# KiCad board panelized.kicad_pcb (continued)
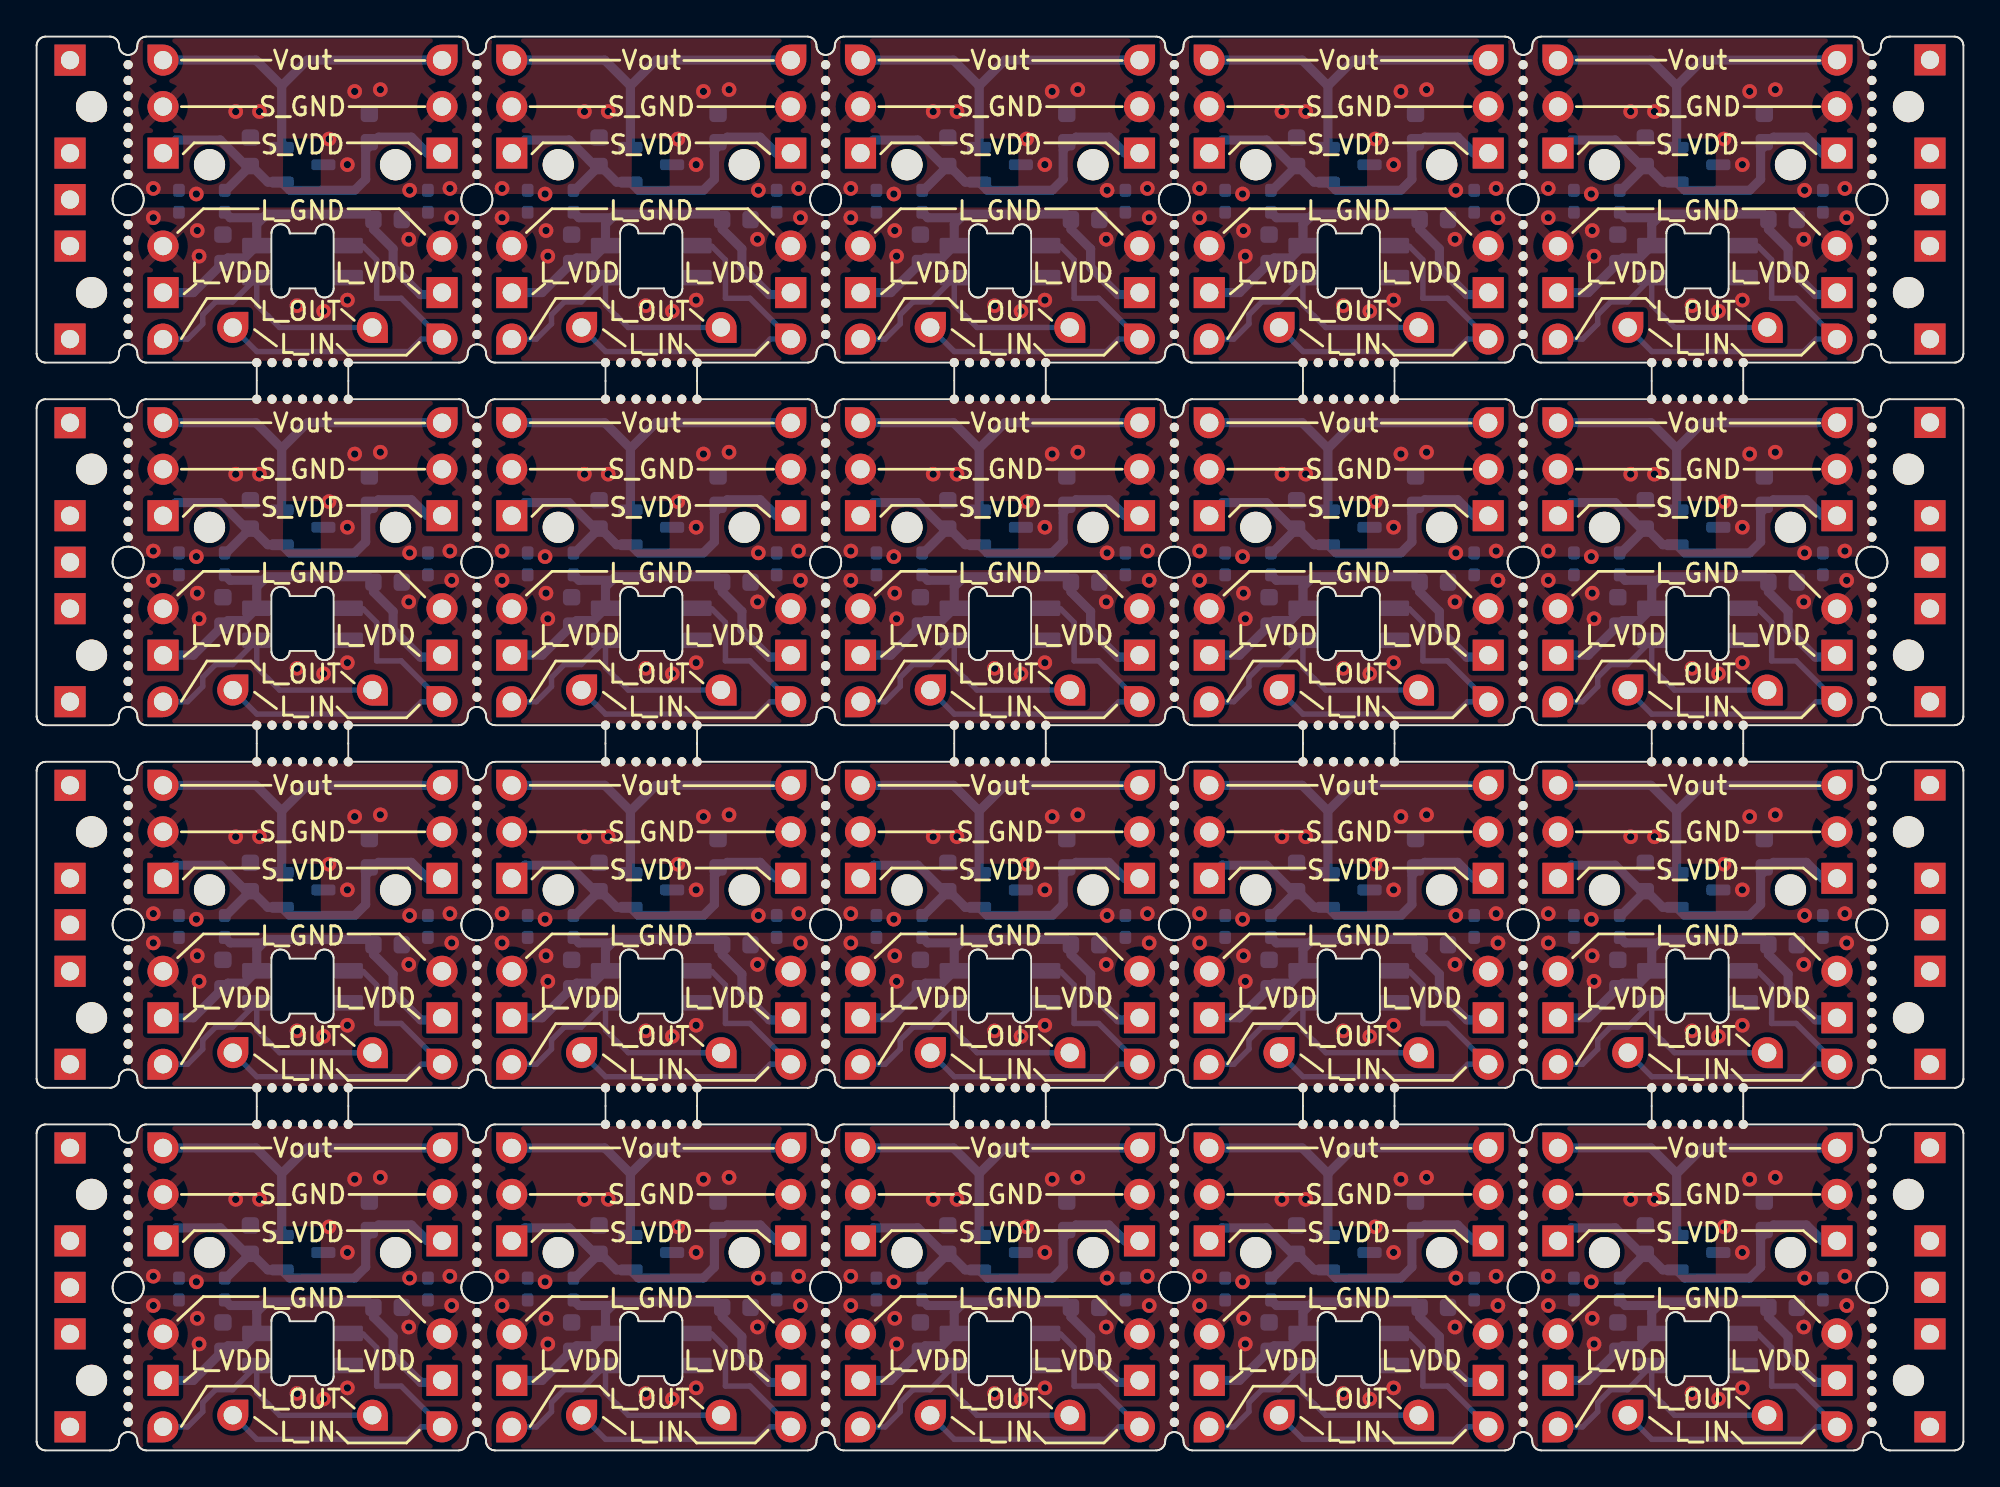
[diagram p0: board, top side]
## Placement (name value [footprint] x y rotation side) (continued)
J8#19  Conn_01x01_Pin  [PinHeader_1x01_P2.54mm_Vertical#3]  25.95 45.98 180 bottom
J8#20  Conn_01x01_Pin  [PinHeader_1x01_P2.54mm_Vertical#3]  64.06 45.98 180 bottom
J9  Conn_01x01_Pin  [PinHeader_1x01_P2.54mm_Vertical]  22.14 36.33 90 bottom
J9#2  Conn_01x01_Pin  [PinHeader_1x01_P2.54mm_Vertical]  41.19 36.33 90 bottom
J9#3  Conn_01x01_Pin  [PinHeader_1x01_P2.54mm_Vertical]  60.25 16.52 90 bottom
J9#4  Conn_01x01_Pin  [PinHeader_1x01_P2.54mm_Vertical]  41.19 16.52 90 bottom
J9#5  Conn_01x01_Pin  [PinHeader_1x01_P2.54mm_Vertical]  98.34 36.33 90 bottom
J9#6  Conn_01x01_Pin  [PinHeader_1x01_P2.54mm_Vertical]  98.34 56.14 90 bottom
J9#7  Conn_01x01_Pin  [PinHeader_1x01_P2.54mm_Vertical]  22.14 16.52 90 bottom
J9#8  Conn_01x01_Pin  [PinHeader_1x01_P2.54mm_Vertical]  98.34 16.52 90 bottom
J9#9  Conn_01x01_Pin  [PinHeader_1x01_P2.54mm_Vertical]  79.29 56.14 90 bottom
J9#10  Conn_01x01_Pin  [PinHeader_1x01_P2.54mm_Vertical]  60.25 56.14 90 bottom
J9#11  Conn_01x01_Pin  [PinHeader_1x01_P2.54mm_Vertical]  60.25 75.95 90 bottom
J9#12  Conn_01x01_Pin  [PinHeader_1x01_P2.54mm_Vertical]  79.29 75.95 90 bottom
J9#13  Conn_01x01_Pin  [PinHeader_1x01_P2.54mm_Vertical]  22.14 75.95 90 bottom
J9#14  Conn_01x01_Pin  [PinHeader_1x01_P2.54mm_Vertical]  98.34 75.95 90 bottom
J9#15  Conn_01x01_Pin  [PinHeader_1x01_P2.54mm_Vertical]  41.19 75.95 90 bottom
J9#16  Conn_01x01_Pin  [PinHeader_1x01_P2.54mm_Vertical]  79.29 16.52 90 bottom
J9#17  Conn_01x01_Pin  [PinHeader_1x01_P2.54mm_Vertical]  22.14 56.14 90 bottom
J9#18  Conn_01x01_Pin  [PinHeader_1x01_P2.54mm_Vertical]  79.29 36.33 90 bottom
J9#19  Conn_01x01_Pin  [PinHeader_1x01_P2.54mm_Vertical]  60.25 36.33 90 bottom
J9#20  Conn_01x01_Pin  [PinHeader_1x01_P2.54mm_Vertical]  41.19 56.14 90 bottom
J10  Conn_01x01_Pin  [PinHeader_1x01_P2.54mm_Vertical]  45 75.95 180 bottom
J10#2  Conn_01x01_Pin  [PinHeader_1x01_P2.54mm_Vertical]  25.95 75.95 180 bottom
J10#3  Conn_01x01_Pin  [PinHeader_1x01_P2.54mm_Vertical]  83.1 56.14 180 bottom
J10#4  Conn_01x01_Pin  [PinHeader_1x01_P2.54mm_Vertical]  64.06 75.95 180 bottom
J10#5  Conn_01x01_Pin  [PinHeader_1x01_P2.54mm_Vertical]  45 16.52 180 bottom
J10#6  Conn_01x01_Pin  [PinHeader_1x01_P2.54mm_Vertical]  83.1 75.95 180 bottom
J10#7  Conn_01x01_Pin  [PinHeader_1x01_P2.54mm_Vertical]  64.06 56.14 180 bottom
J10#8  Conn_01x01_Pin  [PinHeader_1x01_P2.54mm_Vertical]  83.1 36.33 180 bottom
J10#9  Conn_01x01_Pin  [PinHeader_1x01_P2.54mm_Vertical]  25.95 16.52 180 bottom
J10#10  Conn_01x01_Pin  [PinHeader_1x01_P2.54mm_Vertical]  64.06 16.52 180 bottom
J10#11  Conn_01x01_Pin  [PinHeader_1x01_P2.54mm_Vertical]  45 56.14 180 bottom
J10#12  Conn_01x01_Pin  [PinHeader_1x01_P2.54mm_Vertical]  6.91 16.52 180 bottom
J10#13  Conn_01x01_Pin  [PinHeader_1x01_P2.54mm_Vertical]  6.91 56.14 180 bottom
J10#14  Conn_01x01_Pin  [PinHeader_1x01_P2.54mm_Vertical]  45 36.33 180 bottom
J10#15  Conn_01x01_Pin  [PinHeader_1x01_P2.54mm_Vertical]  25.95 56.14 180 bottom
J10#16  Conn_01x01_Pin  [PinHeader_1x01_P2.54mm_Vertical]  64.06 36.33 180 bottom
J10#17  Conn_01x01_Pin  [PinHeader_1x01_P2.54mm_Vertical]  6.91 75.95 180 bottom
J10#18  Conn_01x01_Pin  [PinHeader_1x01_P2.54mm_Vertical]  6.91 36.33 180 bottom
J10#19  Conn_01x01_Pin  [PinHeader_1x01_P2.54mm_Vertical]  25.95 36.33 180 bottom
J10#20  Conn_01x01_Pin  [PinHeader_1x01_P2.54mm_Vertical]  83.1 16.52 180 bottom
J11  Conn_01x01_Pin  [PinHeader_1x01_P2.54mm_Vertical]  37.38 41.54 0 bottom
J11#2  Conn_01x01_Pin  [PinHeader_1x01_P2.54mm_Vertical]  56.44 1.92 0 bottom
J11#3  Conn_01x01_Pin  [PinHeader_1x01_P2.54mm_Vertical]  94.53 61.35 0 bottom
J11#4  Conn_01x01_Pin  [PinHeader_1x01_P2.54mm_Vertical]  94.53 21.73 0 bottom
J11#5  Conn_01x01_Pin  [PinHeader_1x01_P2.54mm_Vertical]  75.49 61.35 0 bottom
J11#6  Conn_01x01_Pin  [PinHeader_1x01_P2.54mm_Vertical]  56.44 61.35 0 bottom
J11#7  Conn_01x01_Pin  [PinHeader_1x01_P2.54mm_Vertical]  37.38 1.92 0 bottom
J11#8  Conn_01x01_Pin  [PinHeader_1x01_P2.54mm_Vertical]  94.53 41.54 0 bottom
J11#9  Conn_01x01_Pin  [PinHeader_1x01_P2.54mm_Vertical]  37.38 21.73 0 bottom
J11#10  Conn_01x01_Pin  [PinHeader_1x01_P2.54mm_Vertical]  18.33 61.35 0 bottom
J11#11  Conn_01x01_Pin  [PinHeader_1x01_P2.54mm_Vertical]  56.44 21.73 0 bottom
J11#12  Conn_01x01_Pin  [PinHeader_1x01_P2.54mm_Vertical]  75.49 21.73 0 bottom
J11#13  Conn_01x01_Pin  [PinHeader_1x01_P2.54mm_Vertical]  18.33 41.54 0 bottom
J11#14  Conn_01x01_Pin  [PinHeader_1x01_P2.54mm_Vertical]  75.49 41.54 0 bottom
J11#15  Conn_01x01_Pin  [PinHeader_1x01_P2.54mm_Vertical]  18.33 21.73 0 bottom
J11#16  Conn_01x01_Pin  [PinHeader_1x01_P2.54mm_Vertical]  56.44 41.54 0 bottom
J11#17  Conn_01x01_Pin  [PinHeader_1x01_P2.54mm_Vertical]  75.49 1.92 0 bottom
J11#18  Conn_01x01_Pin  [PinHeader_1x01_P2.54mm_Vertical]  18.33 1.92 0 bottom
J11#19  Conn_01x01_Pin  [PinHeader_1x01_P2.54mm_Vertical]  37.38 61.35 0 bottom
J11#20  Conn_01x01_Pin  [PinHeader_1x01_P2.54mm_Vertical]  94.53 1.92 0 bottom
J12  Conn_01x01_Pin  [PinHeader_1x01_P2.54mm_Vertical]  25.95 1.28 90 bottom
J12#2  Conn_01x01_Pin  [PinHeader_1x01_P2.54mm_Vertical]  25.95 40.9 90 bottom
J12#3  Conn_01x01_Pin  [PinHeader_1x01_P2.54mm_Vertical]  64.06 21.09 90 bottom
J12#4  Conn_01x01_Pin  [PinHeader_1x01_P2.54mm_Vertical]  6.91 1.28 90 bottom
J12#5  Conn_01x01_Pin  [PinHeader_1x01_P2.54mm_Vertical]  83.1 1.28 90 bottom
J12#6  Conn_01x01_Pin  [PinHeader_1x01_P2.54mm_Vertical]  6.91 21.09 90 bottom
J12#7  Conn_01x01_Pin  [PinHeader_1x01_P2.54mm_Vertical]  45 21.09 90 bottom
J12#8  Conn_01x01_Pin  [PinHeader_1x01_P2.54mm_Vertical]  45 40.9 90 bottom
J12#9  Conn_01x01_Pin  [PinHeader_1x01_P2.54mm_Vertical]  83.1 21.09 90 bottom
J12#10  Conn_01x01_Pin  [PinHeader_1x01_P2.54mm_Vertical]  25.95 60.71 90 bottom
J12#11  Conn_01x01_Pin  [PinHeader_1x01_P2.54mm_Vertical]  6.91 40.9 90 bottom
J12#12  Conn_01x01_Pin  [PinHeader_1x01_P2.54mm_Vertical]  64.06 1.28 90 bottom
J12#13  Conn_01x01_Pin  [PinHeader_1x01_P2.54mm_Vertical]  6.91 60.71 90 bottom
J12#14  Conn_01x01_Pin  [PinHeader_1x01_P2.54mm_Vertical]  83.1 60.71 90 bottom
J12#15  Conn_01x01_Pin  [PinHeader_1x01_P2.54mm_Vertical]  64.06 60.71 90 bottom
J12#16  Conn_01x01_Pin  [PinHeader_1x01_P2.54mm_Vertical]  45 60.71 90 bottom
J12#17  Conn_01x01_Pin  [PinHeader_1x01_P2.54mm_Vertical]  64.06 40.9 90 bottom
J12#18  Conn_01x01_Pin  [PinHeader_1x01_P2.54mm_Vertical]  25.95 21.09 90 bottom
J12#19  Conn_01x01_Pin  [PinHeader_1x01_P2.54mm_Vertical]  83.1 40.9 90 bottom
J12#20  Conn_01x01_Pin  [PinHeader_1x01_P2.54mm_Vertical]  45 1.28 90 bottom
J13  Conn_01x01_Pin  [PinHeader_1x01_P2.54mm_Vertical]  48.81 21.73 180 bottom
J13#2  Conn_01x01_Pin  [PinHeader_1x01_P2.54mm_Vertical]  67.87 21.73 180 bottom
J13#3  Conn_01x01_Pin  [PinHeader_1x01_P2.54mm_Vertical]  67.87 61.35 180 bottom
J13#4  Conn_01x01_Pin  [PinHeader_1x01_P2.54mm_Vertical]  48.81 1.92 180 bottom
J13#5  Conn_01x01_Pin  [PinHeader_1x01_P2.54mm_Vertical]  86.91 41.54 180 bottom
J13#6  Conn_01x01_Pin  [PinHeader_1x01_P2.54mm_Vertical]  29.77 1.92 180 bottom
J13#7  Conn_01x01_Pin  [PinHeader_1x01_P2.54mm_Vertical]  10.72 1.92 180 bottom
J13#8  Conn_01x01_Pin  [PinHeader_1x01_P2.54mm_Vertical]  67.87 1.92 180 bottom
J13#9  Conn_01x01_Pin  [PinHeader_1x01_P2.54mm_Vertical]  10.72 21.73 180 bottom
J13#10  Conn_01x01_Pin  [PinHeader_1x01_P2.54mm_Vertical]  86.91 61.35 180 bottom
J13#11  Conn_01x01_Pin  [PinHeader_1x01_P2.54mm_Vertical]  10.72 61.35 180 bottom
J13#12  Conn_01x01_Pin  [PinHeader_1x01_P2.54mm_Vertical]  86.91 21.73 180 bottom
J13#13  Conn_01x01_Pin  [PinHeader_1x01_P2.54mm_Vertical]  48.81 41.54 180 bottom
J13#14  Conn_01x01_Pin  [PinHeader_1x01_P2.54mm_Vertical]  67.87 41.54 180 bottom
J13#15  Conn_01x01_Pin  [PinHeader_1x01_P2.54mm_Vertical]  86.91 1.92 180 bottom
J13#16  Conn_01x01_Pin  [PinHeader_1x01_P2.54mm_Vertical]  29.77 61.35 180 bottom
J13#17  Conn_01x01_Pin  [PinHeader_1x01_P2.54mm_Vertical]  29.77 41.54 180 bottom
J13#18  Conn_01x01_Pin  [PinHeader_1x01_P2.54mm_Vertical]  10.72 41.54 180 bottom
J13#19  Conn_01x01_Pin  [PinHeader_1x01_P2.54mm_Vertical]  29.77 21.73 180 bottom
J13#20  Conn_01x01_Pin  [PinHeader_1x01_P2.54mm_Vertical]  48.81 61.35 180 bottom
J14  Conn_01x01_Pin  [PinHeader_1x01_P2.54mm_Vertical]  79.29 60.71 180 bottom
J14#2  Conn_01x01_Pin  [PinHeader_1x01_P2.54mm_Vertical]  41.19 60.71 180 bottom
J14#3  Conn_01x01_Pin  [PinHeader_1x01_P2.54mm_Vertical]  22.14 60.71 180 bottom
J14#4  Conn_01x01_Pin  [PinHeader_1x01_P2.54mm_Vertical]  79.29 1.28 180 bottom
J14#5  Conn_01x01_Pin  [PinHeader_1x01_P2.54mm_Vertical]  22.14 40.9 180 bottom
J14#6  Conn_01x01_Pin  [PinHeader_1x01_P2.54mm_Vertical]  98.34 40.9 180 bottom
J14#7  Conn_01x01_Pin  [PinHeader_1x01_P2.54mm_Vertical]  98.34 60.71 180 bottom
J14#8  Conn_01x01_Pin  [PinHeader_1x01_P2.54mm_Vertical]  60.25 21.09 180 bottom
J14#9  Conn_01x01_Pin  [PinHeader_1x01_P2.54mm_Vertical]  60.25 40.9 180 bottom
J14#10  Conn_01x01_Pin  [PinHeader_1x01_P2.54mm_Vertical]  79.29 21.09 180 bottom
J14#11  Conn_01x01_Pin  [PinHeader_1x01_P2.54mm_Vertical]  22.14 21.09 180 bottom
J14#12  Conn_01x01_Pin  [PinHeader_1x01_P2.54mm_Vertical]  41.19 21.09 180 bottom
J14#13  Conn_01x01_Pin  [PinHeader_1x01_P2.54mm_Vertical]  41.19 1.28 180 bottom
J14#14  Conn_01x01_Pin  [PinHeader_1x01_P2.54mm_Vertical]  60.25 60.71 180 bottom
J14#15  Conn_01x01_Pin  [PinHeader_1x01_P2.54mm_Vertical]  22.14 1.28 180 bottom
J14#16  Conn_01x01_Pin  [PinHeader_1x01_P2.54mm_Vertical]  41.19 40.9 180 bottom
J14#17  Conn_01x01_Pin  [PinHeader_1x01_P2.54mm_Vertical]  98.34 21.09 180 bottom
J14#18  Conn_01x01_Pin  [PinHeader_1x01_P2.54mm_Vertical]  60.25 1.28 180 bottom
J14#19  Conn_01x01_Pin  [PinHeader_1x01_P2.54mm_Vertical]  79.29 40.9 180 bottom
J14#20  Conn_01x01_Pin  [PinHeader_1x01_P2.54mm_Vertical]  98.34 1.28 180 bottom
NOREF  -  [unnamed]  1.83 45.98 270 top
NOREF#2  -  [unnamed]  1.83 26.17 270 top
NOREF#3  -  [unnamed]  1.83 65.79 270 top
NOREF#4  -  [unnamed]  1.83 6.36 270 top
NOREF#5  -  [unnamed]  103.43 45.98 180 top
NOREF#6  -  [unnamed]  103.43 6.36 180 top
NOREF#7  -  [unnamed]  103.43 65.79 180 top
NOREF#8  -  [unnamed]  103.43 26.17 180 top
NOREF#9  -  [unnamed]  103.43 75.97 90 top
NOREF#10  -  [unnamed]  103.43 16.54 90 top
NOREF#11  -  [unnamed]  103.43 36.35 90 top
NOREF#12  -  [unnamed]  103.43 56.16 90 top
NOREF#13  -  [unnamed]  1.83 31.25 0 top
NOREF#14  -  [unnamed]  1.83 51.06 0 top
NOREF#15  -  [unnamed]  1.83 70.88 0 top
NOREF#16  -  [unnamed]  1.83 11.44 0 top
NOREF#17  -  [unnamed]  1.83 21.09 270 top
NOREF#18  -  [unnamed]  1.83 60.71 270 top
NOREF#19  -  [unnamed]  1.83 1.28 270 top
NOREF#20  -  [unnamed]  1.83 40.9 270 top
NOREF#21  -  [unnamed]  103.43 1.28 90 top
NOREF#22  -  [unnamed]  103.43 21.09 90 top
NOREF#23  -  [unnamed]  103.43 60.71 90 top
NOREF#24  -  [unnamed]  103.43 40.9 90 top
NOREF#25  -  [unnamed]  103.43 48.52 180 top
NOREF#26  -  [unnamed]  103.43 8.91 180 top
NOREF#27  -  [unnamed]  103.43 28.71 180 top
NOREF#28  -  [unnamed]  103.43 68.33 180 top
NOREF#29  -  [unnamed]  1.83 48.52 0 top
NOREF#30  -  [unnamed]  1.83 28.71 0 top
NOREF#31  -  [unnamed]  1.83 8.91 0 top
NOREF#32  -  [unnamed]  1.83 68.33 0 top
NOREF#33  -  [unnamed]  1.83 16.52 270 top
NOREF#34  -  [unnamed]  1.83 36.33 270 top
NOREF#35  -  [unnamed]  1.83 56.14 270 top
NOREF#36  -  [unnamed]  1.83 75.95 270 top
NOREF#37  -  [unnamed]  103.43 51.06 90 top
NOREF#38  -  [unnamed]  103.43 31.25 90 top
NOREF#39  -  [unnamed]  103.43 11.44 90 top
NOREF#40  -  [unnamed]  103.43 70.88 90 top
R1  R  [R_0402_1005Metric_Pad0.72x0.64mm_HandSolder]  21.38 68.24 90 bottom
R1#2  R  [R_0402_1005Metric_Pad0.72x0.64mm_HandSolder]  78.53 68.24 90 bottom
R1#3  R  [R_0402_1005Metric_Pad0.72x0.64mm_HandSolder]  97.57 68.24 90 bottom
R1#4  R  [R_0402_1005Metric_Pad0.72x0.64mm_HandSolder]  97.57 28.62 90 bottom
R1#5  R  [R_0402_1005Metric_Pad0.72x0.64mm_HandSolder]  59.47 28.62 90 bottom
R1#6  R  [R_0402_1005Metric_Pad0.72x0.64mm_HandSolder]  78.53 8.81 90 bottom
R1#7  R  [R_0402_1005Metric_Pad0.72x0.64mm_HandSolder]  78.53 48.43 90 bottom
R1#8  R  [R_0402_1005Metric_Pad0.72x0.64mm_HandSolder]  40.43 48.43 90 bottom
R1#9  R  [R_0402_1005Metric_Pad0.72x0.64mm_HandSolder]  21.38 48.43 90 bottom
R1#10  R  [R_0402_1005Metric_Pad0.72x0.64mm_HandSolder]  40.43 68.24 90 bottom
R1#11  R  [R_0402_1005Metric_Pad0.72x0.64mm_HandSolder]  59.47 68.24 90 bottom
R1#12  R  [R_0402_1005Metric_Pad0.72x0.64mm_HandSolder]  78.53 28.62 90 bottom
R1#13  R  [R_0402_1005Metric_Pad0.72x0.64mm_HandSolder]  59.47 48.43 90 bottom
R1#14  R  [R_0402_1005Metric_Pad0.72x0.64mm_HandSolder]  40.43 28.62 90 bottom
R1#15  R  [R_0402_1005Metric_Pad0.72x0.64mm_HandSolder]  21.38 28.62 90 bottom
R1#16  R  [R_0402_1005Metric_Pad0.72x0.64mm_HandSolder]  21.38 8.81 90 bottom
R1#17  R  [R_0402_1005Metric_Pad0.72x0.64mm_HandSolder]  59.47 8.81 90 bottom
R1#18  R  [R_0402_1005Metric_Pad0.72x0.64mm_HandSolder]  97.57 48.43 90 bottom
R1#19  R  [R_0402_1005Metric_Pad0.72x0.64mm_HandSolder]  40.43 8.81 90 bottom
R1#20  R  [R_0402_1005Metric_Pad0.72x0.64mm_HandSolder]  97.57 8.81 90 bottom
R2  R  [R_0402_1005Metric_Pad0.72x0.64mm_HandSolder]  83.97 48.43 90 bottom
R2#2  R  [R_0402_1005Metric_Pad0.72x0.64mm_HandSolder]  45.88 68.24 90 bottom
R2#3  R  [R_0402_1005Metric_Pad0.72x0.64mm_HandSolder]  64.93 68.24 90 bottom
R2#4  R  [R_0402_1005Metric_Pad0.72x0.64mm_HandSolder]  26.83 68.24 90 bottom
R2#5  R  [R_0402_1005Metric_Pad0.72x0.64mm_HandSolder]  7.78 68.24 90 bottom
R2#6  R  [R_0402_1005Metric_Pad0.72x0.64mm_HandSolder]  64.93 8.81 90 bottom
R2#7  R  [R_0402_1005Metric_Pad0.72x0.64mm_HandSolder]  26.83 8.81 90 bottom
R2#8  R  [R_0402_1005Metric_Pad0.72x0.64mm_HandSolder]  83.97 8.81 90 bottom
R2#9  R  [R_0402_1005Metric_Pad0.72x0.64mm_HandSolder]  7.78 8.81 90 bottom
R2#10  R  [R_0402_1005Metric_Pad0.72x0.64mm_HandSolder]  45.88 28.62 90 bottom
R2#11  R  [R_0402_1005Metric_Pad0.72x0.64mm_HandSolder]  45.88 48.43 90 bottom
R2#12  R  [R_0402_1005Metric_Pad0.72x0.64mm_HandSolder]  7.78 28.62 90 bottom
R2#13  R  [R_0402_1005Metric_Pad0.72x0.64mm_HandSolder]  7.78 48.43 90 bottom
R2#14  R  [R_0402_1005Metric_Pad0.72x0.64mm_HandSolder]  64.93 28.62 90 bottom
R2#15  R  [R_0402_1005Metric_Pad0.72x0.64mm_HandSolder]  26.83 48.43 90 bottom
R2#16  R  [R_0402_1005Metric_Pad0.72x0.64mm_HandSolder]  83.97 68.24 90 bottom
R2#17  R  [R_0402_1005Metric_Pad0.72x0.64mm_HandSolder]  64.93 48.43 90 bottom
R2#18  R  [R_0402_1005Metric_Pad0.72x0.64mm_HandSolder]  83.97 28.62 90 bottom
R2#19  R  [R_0402_1005Metric_Pad0.72x0.64mm_HandSolder]  45.88 8.81 90 bottom
R2#20  R  [R_0402_1005Metric_Pad0.72x0.64mm_HandSolder]  26.83 28.62 90 bottom
R3  R  [R_0402_1005Metric_Pad0.72x0.64mm_HandSolder]  67.43 8.81 90 bottom
R3#2  R  [R_0402_1005Metric_Pad0.72x0.64mm_HandSolder]  48.38 48.43 90 bottom
R3#3  R  [R_0402_1005Metric_Pad0.72x0.64mm_HandSolder]  10.28 48.43 90 bottom
R3#4  R  [R_0402_1005Metric_Pad0.72x0.64mm_HandSolder]  67.43 48.43 90 bottom
R3#5  R  [R_0402_1005Metric_Pad0.72x0.64mm_HandSolder]  48.38 28.62 90 bottom
R3#6  R  [R_0402_1005Metric_Pad0.72x0.64mm_HandSolder]  10.28 68.24 90 bottom
R3#7  R  [R_0402_1005Metric_Pad0.72x0.64mm_HandSolder]  48.38 68.24 90 bottom
R3#8  R  [R_0402_1005Metric_Pad0.72x0.64mm_HandSolder]  86.47 68.24 90 bottom
R3#9  R  [R_0402_1005Metric_Pad0.72x0.64mm_HandSolder]  10.28 8.81 90 bottom
R3#10  R  [R_0402_1005Metric_Pad0.72x0.64mm_HandSolder]  29.33 48.43 90 bottom
R3#11  R  [R_0402_1005Metric_Pad0.72x0.64mm_HandSolder]  86.47 8.81 90 bottom
R3#12  R  [R_0402_1005Metric_Pad0.72x0.64mm_HandSolder]  29.33 8.81 90 bottom
R3#13  R  [R_0402_1005Metric_Pad0.72x0.64mm_HandSolder]  67.43 68.24 90 bottom
R3#14  R  [R_0402_1005Metric_Pad0.72x0.64mm_HandSolder]  10.28 28.62 90 bottom
R3#15  R  [R_0402_1005Metric_Pad0.72x0.64mm_HandSolder]  29.33 28.62 90 bottom
R3#16  R  [R_0402_1005Metric_Pad0.72x0.64mm_HandSolder]  29.33 68.24 90 bottom
R3#17  R  [R_0402_1005Metric_Pad0.72x0.64mm_HandSolder]  86.47 48.43 90 bottom
R3#18  R  [R_0402_1005Metric_Pad0.72x0.64mm_HandSolder]  86.47 28.62 90 bottom
R3#19  R  [R_0402_1005Metric_Pad0.72x0.64mm_HandSolder]  48.38 8.81 90 bottom
R3#20  R  [R_0402_1005Metric_Pad0.72x0.64mm_HandSolder]  67.43 28.62 90 bottom
REF**  -  [NPTH]  55.12 57.43 0 top
REF**#2  -  [NPTH]  5 22.2 0 top
REF**#3  -  [NPTH]  73.34 59.43 0 top
REF**#4  -  [NPTH]  92.39 59.43 0 top
REF**#5  -  [NPTH]  43.1 2.39 0 top
REF**#6  -  [NPTH]  81.2 53.32 0 top
REF**#7  -  [NPTH]  12.03 59.43 0 top
REF**#8  -  [NPTH]  32.74 57.43 0 top
REF**#9  -  [NPTH]  43.1 66.11 0 top
REF**#10  -  [NPTH]  81.2 30.08 0 top
REF**#11  -  [NPTH]  93.22 17.81 0 top
REF**#12  -  [NPTH]  81.2 2.39 0 top
REF**#13  -  [NPTH]  81.2 60.96 0 top
REF**#14  -  [NPTH]  24.05 27.34 0 top
REF**#15  -  [NPTH]  92.39 39.62 0 top
REF**#16  -  [NPTH]  35.24 17.81 0 top
REF**#17  -  [NPTH]  43.1 1.53 0 top
REF**#18  -  [NPTH]  24.05 32.66 0 top
REF**#19  -  [NPTH]  52.62 17.81 0 top
REF**#20  -  [NPTH]  43.1 75.7 0 top
REF**#21  -  [NPTH]  62.15 10.27 0 top
REF**#22  -  [NPTH]  100.25 60.96 0 top
REF**#23  -  [NPTH]  5 23.06 0 top
REF**#24  -  [NPTH]  17.03 17.81 0 top
REF**#25  -  [NPTH]  5 46.3 0 top
REF**#26  -  [NPTH]  34.41 59.43 0 top
REF**#27  -  [NPTH]  62.15 22.2 0 top
REF**#28  -  [NPTH]  81.2 4.96 0 top
REF**#29  -  [NPTH]  5 6.68 0 top
REF**#30  -  [NPTH]  53.46 57.43 0 top
REF**#31  -  [NPTH]  62.15 7.53 0 top
REF**#32  -  [NPTH]  81.2 22.2 0 top
REF**#33  -  [NPTH]  5 2.39 0 top
REF**#34  -  [NPTH]  16.19 57.43 0 top
REF**#35  -  [NPTH]  62.15 34.37 0 top
REF**#36  -  [NPTH]  81.2 36.08 0 top
REF**#37  -  [NPTH]  81.2 13.7 0 top
REF**#38  -  [NPTH]  81.2 41.15 0 top
REF**#39  -  [NPTH]  43.1 27.34 0 top
REF**#40  -  [NPTH]  55.12 37.62 0 top
REF**#41  -  [NPTH]  50.12 39.62 0 top
REF**#42  -  [NPTH]  100.25 26.49 0 top
REF**#43  -  [NPTH]  62.15 47.15 0 top
REF**#44  -  [NPTH]  81.2 73.99 0 top
REF**#45  -  [NPTH]  93.22 37.62 0 top
REF**#46  -  [NPTH]  81.2 74.85 0 top
REF**#47  -  [NPTH]  70.01 57.43 0 top
REF**#48  -  [NPTH]  36.07 59.43 0 top
REF**#49  -  [NPTH]  43.1 30.08 0 top
REF**#50  -  [NPTH]  62.15 3.25 0 top
REF**#51  -  [NPTH]  13.69 39.62 0 top
REF**#52  -  [NPTH]  5 25.63 0 top
REF**#53  -  [NPTH]  5 45.44 0 top
REF**#54  -  [NPTH]  62.15 6.68 0 top
REF**#55  -  [NPTH]  62.15 4.96 0 top
REF**#56  -  [NPTH]  100.25 61.82 0 top
REF**#57  -  [NPTH]  62.15 53.32 0 top
REF**#58  -  [NPTH]  91.56 37.62 0 top
REF**#59  -  [NPTH]  62.15 32.66 0 top
REF**#60  -  [NPTH]  100.25 45.44 0 top
REF**#61  -  [NPTH]  5 64.39 0 top
REF**#62  -  [NPTH]  36.07 17.81 0 top
REF**#63  -  [NPTH]  71.68 19.81 0 top
REF**#64  -  [NPTH]  5 4.96 0 top
REF**#65  -  [NPTH]  24.05 10.27 0 top
REF**#66  -  [NPTH]  24.05 65.25 0 top
REF**#67  -  [NPTH]  14.53 59.43 0 top
REF**#68  -  [NPTH]  24.05 33.51 0 top
REF**#69  -  [NPTH]  100.25 27.34 0 top
REF**#70  -  [NPTH]  24.05 23.06 0 top
REF**#71  -  [NPTH]  62.15 70.56 0 top
REF**#72  -  [NPTH]  62.15 16.27 0 top
REF**#73  -  [NPTH]  74.18 37.62 0 top
REF**#74  -  [NPTH]  100.25 25.63 0 top
REF**#75  -  [NPTH]  24.05 51.61 0 top
REF**#76  -  [NPTH]  43.1 10.27 0 top
REF**#77  -  [NPTH]  100.25 36.08 0 top
REF**#78  -  [NPTH]  100.25 71.42 0 top
REF**#79  -  [NPTH]  100.25 41.15 0 top
REF**#80  -  [NPTH]  55.12 59.43 0 top
REF**#81  -  [NPTH]  69.18 37.62 0 top
REF**#82  -  [NPTH]  81.2 16.27 0 top
REF**#83  -  [NPTH]  43.1 70.56 0 top
REF**#84  -  [NPTH]  15.36 39.62 0 top
REF**#85  -  [NPTH]  100.25 24.77 0 top
REF**#86  -  [NPTH]  33.57 17.81 0 top
REF**#87  -  [NPTH]  62.15 61.82 0 top
REF**#88  -  [NPTH]  90.72 19.81 0 top
REF**#89  -  [NPTH]  13.69 37.62 0 top
REF**#90  -  [NPTH]  12.86 57.43 0 top
REF**#91  -  [NPTH]  71.68 17.81 0 top
REF**#92  -  [NPTH]  100.25 62.68 0 top
REF**#93  -  [NPTH]  35.24 37.62 0 top
REF**#94  -  [NPTH]  81.2 70.56 0 top
REF**#95  -  [NPTH]  52.62 39.62 0 top
REF**#96  -  [NPTH]  100.25 46.3 0 top
REF**#97  -  [NPTH]  24.05 2.39 0 top
REF**#98  -  [NPTH]  5 30.94 0 top
REF**#99  -  [NPTH]  33.57 19.81 0 top
REF**#100  -  [NPTH]  5 31.8 0 top
REF**#101  -  [NPTH]  24.05 43.73 0 top
REF**#102  -  [NPTH]  100.25 75.7 0 top
REF**#103  -  [NPTH]  31.08 19.81 0 top
REF**#104  -  [NPTH]  5 24.77 0 top
REF**#105  -  [NPTH]  62.15 35.23 0 top
REF**#106  -  [NPTH]  43.1 25.63 0 top
REF**#107  -  [NPTH]  43.1 45.44 0 top
REF**#108  -  [NPTH]  100.25 55.89 0 top
REF**#109  -  [NPTH]  70.84 57.43 0 top
REF**#110  -  [NPTH]  100.25 15.42 0 top
REF**#111  -  [NPTH]  81.2 66.97 0 top
REF**#112  -  [NPTH]  5 55.04 0 top
REF**#113  -  [NPTH]  12.86 17.81 0 top
REF**#114  -  [NPTH]  24.05 30.08 0 top
REF**#115  -  [NPTH]  91.56 59.43 0 top
REF**#116  -  [NPTH]  5 4.11 0 top
REF**#117  -  [NPTH]  50.96 17.81 0 top
REF**#118  -  [NPTH]  24.05 13.7 0 top
REF**#119  -  [NPTH]  24.05 42.87 0 top
REF**#120  -  [NPTH]  43.1 42.87 0 top
REF**#121  -  [NPTH]  50.96 19.81 0 top
REF**#122  -  [NPTH]  5 33.51 0 top
REF**#123  -  [NPTH]  51.79 59.43 0 top
REF**#124  -  [NPTH]  43.1 55.04 0 top
REF**#125  -  [NPTH]  81.2 25.63 0 top
REF**#126  -  [NPTH]  53.46 19.81 0 top
REF**#127  -  [NPTH]  62.15 63.54 0 top
REF**#128  -  [NPTH]  72.51 39.62 0 top
REF**#129  -  [NPTH]  81.2 52.47 0 top
REF**#130  -  [NPTH]  100.25 11.13 0 top
REF**#131  -  [NPTH]  24.05 7.53 0 top
REF**#132  -  [NPTH]  81.2 75.7 0 top
REF**#133  -  [NPTH]  100.25 10.27 0 top
REF**#134  -  [NPTH]  24.05 25.63 0 top
REF**#135  -  [NPTH]  24.05 34.37 0 top
REF**#136  -  [NPTH]  81.2 1.53 0 top
REF**#137  -  [NPTH]  74.18 57.43 0 top
REF**#138  -  [NPTH]  50.12 19.81 0 top
REF**#139  -  [NPTH]  73.34 19.81 0 top
REF**#140  -  [NPTH]  53.46 59.43 0 top
REF**#141  -  [NPTH]  89.06 37.62 0 top
REF**#142  -  [NPTH]  31.91 59.43 0 top
REF**#143  -  [NPTH]  24.05 73.13 0 top
REF**#144  -  [NPTH]  5 52.47 0 top
REF**#145  -  [NPTH]  69.18 19.81 0 top
REF**#146  -  [NPTH]  81.2 26.49 0 top
REF**#147  -  [NPTH]  24.05 36.08 0 top
REF**#148  -  [NPTH]  100.25 30.94 0 top
REF**#149  -  [NPTH]  43.1 50.75 0 top
REF**#150  -  [NPTH]  100.25 16.27 0 top
REF**#151  -  [NPTH]  62.15 66.97 0 top
REF**#152  -  [NPTH]  5 66.97 0 top
REF**#153  -  [NPTH]  43.1 72.28 0 top
REF**#154  -  [NPTH]  32.74 37.62 0 top
REF**#155  -  [NPTH]  70.01 17.81 0 top
REF**#156  -  [NPTH]  35.24 57.43 0 top
REF**#157  -  [NPTH]  71.68 59.43 0 top
REF**#158  -  [NPTH]  43.1 11.99 0 top
REF**#159  -  [NPTH]  5 66.11 0 top
REF**#160  -  [NPTH]  24.05 45.44 0 top
REF**#161  -  [NPTH]  88.22 59.43 0 top
REF**#162  -  [NPTH]  100.25 66.97 0 top
REF**#163  -  [NPTH]  34.41 57.43 0 top
REF**#164  -  [NPTH]  5 12.85 0 top
REF**#165  -  [NPTH]  62.15 55.04 0 top
REF**#166  -  [NPTH]  5 75.7 0 top
REF**#167  -  [NPTH]  62.15 74.85 0 top
REF**#168  -  [NPTH]  70.01 59.43 0 top
REF**#169  -  [NPTH]  24.05 30.94 0 top
REF**#170  -  [NPTH]  81.2 6.68 0 top
REF**#171  -  [NPTH]  62.15 44.58 0 top
REF**#172  -  [NPTH]  62.15 73.99 0 top
REF**#173  -  [NPTH]  13.69 57.43 0 top
REF**#174  -  [NPTH]  100.25 6.68 0 top
REF**#175  -  [NPTH]  43.1 46.3 0 top
REF**#176  -  [NPTH]  24.05 21.34 0 top
REF**#177  -  [NPTH]  72.51 37.62 0 top
REF**#178  -  [NPTH]  62.15 33.51 0 top
REF**#179  -  [NPTH]  43.1 4.96 0 top
REF**#180  -  [NPTH]  24.05 11.99 0 top
REF**#181  -  [NPTH]  43.1 23.06 0 top
REF**#182  -  [NPTH]  72.51 57.43 0 top
REF**#183  -  [NPTH]  5 15.42 0 top
REF**#184  -  [NPTH]  62.15 21.34 0 top
REF**#185  -  [NPTH]  100.25 23.06 0 top
REF**#186  -  [NPTH]  70.01 37.62 0 top
REF**#187  -  [NPTH]  24.05 24.77 0 top
REF**#188  -  [NPTH]  100.25 65.25 0 top
REF**#189  -  [NPTH]  53.46 39.62 0 top
REF**#190  -  [NPTH]  43.1 49.89 0 top
REF**#191  -  [NPTH]  31.91 37.62 0 top
REF**#192  -  [NPTH]  69.18 39.62 0 top
REF**#193  -  [NPTH]  14.53 17.81 0 top
REF**#194  -  [NPTH]  24.05 50.75 0 top
REF**#195  -  [NPTH]  88.22 19.81 0 top
REF**#196  -  [NPTH]  100.25 55.04 0 top
REF**#197  -  [NPTH]  81.2 15.42 0 top
REF**#198  -  [NPTH]  89.06 59.43 0 top
REF**#199  -  [NPTH]  24.05 75.7 0 top
REF**#200  -  [NPTH]  36.07 57.43 0 top
REF**#201  -  [NPTH]  43.1 15.42 0 top
REF**#202  -  [NPTH]  5 65.25 0 top
REF**#203  -  [NPTH]  100.25 49.89 0 top
REF**#204  -  [NPTH]  89.06 19.81 0 top
REF**#205  -  [NPTH]  74.18 19.81 0 top
REF**#206  -  [NPTH]  89.89 57.43 0 top
REF**#207  -  [NPTH]  62.15 25.63 0 top
REF**#208  -  [NPTH]  62.15 43.73 0 top
REF**#209  -  [NPTH]  62.15 31.8 0 top
REF**#210  -  [NPTH]  100.25 13.7 0 top
REF**#211  -  [NPTH]  31.08 59.43 0 top
REF**#212  -  [NPTH]  81.2 50.75 0 top
REF**#213  -  [NPTH]  12.03 37.62 0 top
REF**#214  -  [NPTH]  62.15 13.7 0 top
REF**#215  -  [NPTH]  34.41 37.62 0 top
REF**#216  -  [NPTH]  81.2 45.44 0 top
REF**#217  -  [NPTH]  35.24 39.62 0 top
REF**#218  -  [NPTH]  81.2 66.11 0 top
REF**#219  -  [NPTH]  100.25 1.53 0 top
REF**#220  -  [NPTH]  71.68 39.62 0 top
REF**#221  -  [NPTH]  81.2 73.13 0 top
REF**#222  -  [NPTH]  43.1 47.15 0 top
REF**#223  -  [NPTH]  5 42.87 0 top
REF**#224  -  [NPTH]  34.41 17.81 0 top
REF**#225  -  [NPTH]  43.1 55.89 0 top
REF**#226  -  [NPTH]  24.05 52.47 0 top
REF**#227  -  [NPTH]  43.1 24.77 0 top
REF**#228  -  [NPTH]  100.25 34.37 0 top
REF**#229  -  [NPTH]  16.19 39.62 0 top
REF**#230  -  [NPTH]  70.84 37.62 0 top
REF**#231  -  [NPTH]  43.1 32.66 0 top
REF**#232  -  [NPTH]  100.25 54.18 0 top
REF**#233  -  [NPTH]  5 42.01 0 top
REF**#234  -  [NPTH]  12.86 39.62 0 top
REF**#235  -  [NPTH]  14.53 39.62 0 top
REF**#236  -  [NPTH]  43.1 41.15 0 top
REF**#237  -  [NPTH]  54.29 37.62 0 top
REF**#238  -  [NPTH]  62.15 27.34 0 top
REF**#239  -  [NPTH]  100.25 3.25 0 top
REF**#240  -  [NPTH]  5 3.25 0 top
REF**#241  -  [NPTH]  81.2 24.77 0 top
REF**#242  -  [NPTH]  53.46 17.81 0 top
REF**#243  -  [NPTH]  51.79 17.81 0 top
REF**#244  -  [NPTH]  5 53.32 0 top
REF**#245  -  [NPTH]  43.1 4.11 0 top
REF**#246  -  [NPTH]  88.22 39.62 0 top
REF**#247  -  [NPTH]  24.05 15.42 0 top
REF**#248  -  [NPTH]  62.15 52.47 0 top
REF**#249  -  [NPTH]  100.25 50.75 0 top
REF**#250  -  [NPTH]  43.1 11.13 0 top
REF**#251  -  [NPTH]  5 70.56 0 top
REF**#252  -  [NPTH]  62.15 55.89 0 top
REF**#253  -  [NPTH]  62.15 30.08 0 top
REF**#254  -  [NPTH]  5 26.49 0 top
REF**#255  -  [NPTH]  81.2 30.94 0 top
REF**#256  -  [NPTH]  74.18 59.43 0 top
REF**#257  -  [NPTH]  89.89 19.81 0 top
REF**#258  -  [NPTH]  70.84 59.43 0 top
REF**#259  -  [NPTH]  81.2 62.68 0 top
REF**#260  -  [NPTH]  5 41.15 0 top
REF**#261  -  [NPTH]  50.12 59.43 0 top
REF**#262  -  [NPTH]  43.1 12.85 0 top
REF**#263  -  [NPTH]  43.1 65.25 0 top
REF**#264  -  [NPTH]  24.05 4.11 0 top
REF**#265  -  [NPTH]  100.25 43.73 0 top
REF**#266  -  [NPTH]  5 74.85 0 top
REF**#267  -  [NPTH]  43.1 60.96 0 top
REF**#268  -  [NPTH]  43.1 74.85 0 top
REF**#269  -  [NPTH]  24.05 22.2 0 top
REF**#270  -  [NPTH]  52.62 19.81 0 top
REF**#271  -  [NPTH]  35.24 19.81 0 top
REF**#272  -  [NPTH]  50.12 37.62 0 top
REF**#273  -  [NPTH]  5 47.15 0 top
REF**#274  -  [NPTH]  62.15 24.77 0 top
REF**#275  -  [NPTH]  43.1 52.47 0 top
REF**#276  -  [NPTH]  43.1 35.23 0 top
REF**#277  -  [NPTH]  100.25 4.96 0 top
REF**#278  -  [NPTH]  62.15 64.39 0 top
REF**#279  -  [NPTH]  81.2 5.82 0 top
REF**#280  -  [NPTH]  81.2 14.56 0 top
REF**#281  -  [NPTH]  5 62.68 0 top
REF**#282  -  [NPTH]  5 16.27 0 top
REF**#283  -  [NPTH]  62.15 71.42 0 top
REF**#284  -  [NPTH]  62.15 1.53 0 top
REF**#285  -  [NPTH]  90.72 39.62 0 top
REF**#286  -  [NPTH]  93.22 39.62 0 top
REF**#287  -  [NPTH]  5 30.08 0 top
REF**#288  -  [NPTH]  14.53 37.62 0 top
REF**#289  -  [NPTH]  24.05 23.92 0 top
REF**#290  -  [NPTH]  50.96 37.62 0 top
REF**#291  -  [NPTH]  43.1 31.8 0 top
REF**#292  -  [NPTH]  5 11.99 0 top
REF**#293  -  [NPTH]  24.05 42.01 0 top
REF**#294  -  [NPTH]  5 55.89 0 top
REF**#295  -  [NPTH]  36.07 19.81 0 top
REF**#296  -  [NPTH]  70.84 17.81 0 top
REF**#297  -  [NPTH]  14.53 57.43 0 top
REF**#298  -  [NPTH]  73.34 37.62 0 top
REF**#299  -  [NPTH]  62.15 73.13 0 top
REF**#300  -  [NPTH]  89.06 17.81 0 top
REF**#301  -  [NPTH]  32.74 39.62 0 top
REF**#302  -  [NPTH]  100.25 21.34 0 top
REF**#303  -  [NPTH]  43.1 54.18 0 top
REF**#304  -  [NPTH]  81.2 11.13 0 top
REF**#305  -  [NPTH]  72.51 59.43 0 top
REF**#306  -  [NPTH]  89.06 57.43 0 top
REF**#307  -  [NPTH]  33.57 57.43 0 top
REF**#308  -  [NPTH]  15.36 57.43 0 top
REF**#309  -  [NPTH]  81.2 35.23 0 top
REF**#310  -  [NPTH]  24.05 62.68 0 top
REF**#311  -  [NPTH]  81.2 55.04 0 top
REF**#312  -  [NPTH]  12.86 59.43 0 top
REF**#313  -  [NPTH]  81.2 12.85 0 top
REF**#314  -  [NPTH]  24.05 72.28 0 top
REF**#315  -  [NPTH]  62.15 46.3 0 top
REF**#316  -  [NPTH]  5 50.75 0 top
REF**#317  -  [NPTH]  100.25 35.23 0 top
REF**#318  -  [NPTH]  51.79 57.43 0 top
REF**#319  -  [NPTH]  62.15 23.92 0 top
REF**#320  -  [NPTH]  5 7.53 0 top
REF**#321  -  [NPTH]  24.05 55.04 0 top
REF**#322  -  [NPTH]  43.1 23.92 0 top
REF**#323  -  [NPTH]  43.1 43.73 0 top
REF**#324  -  [NPTH]  62.15 11.99 0 top
REF**#325  -  [NPTH]  5 23.92 0 top
REF**#326  -  [NPTH]  5 11.13 0 top
REF**#327  -  [NPTH]  12.86 19.81 0 top
REF**#328  -  [NPTH]  24.05 73.99 0 top
REF**#329  -  [NPTH]  14.53 19.81 0 top
REF**#330  -  [NPTH]  81.2 23.06 0 top
REF**#331  -  [NPTH]  81.2 71.42 0 top
REF**#332  -  [NPTH]  100.25 53.32 0 top
REF**#333  -  [NPTH]  81.2 42.87 0 top
REF**#334  -  [NPTH]  36.07 37.62 0 top
REF**#335  -  [NPTH]  100.25 33.51 0 top
REF**#336  -  [NPTH]  36.07 39.62 0 top
REF**#337  -  [NPTH]  71.68 37.62 0 top
REF**#338  -  [NPTH]  31.08 17.81 0 top
REF**#339  -  [NPTH]  54.29 57.43 0 top
REF**#340  -  [NPTH]  62.15 65.25 0 top
REF**#341  -  [NPTH]  81.2 4.11 0 top
REF**#342  -  [NPTH]  43.1 14.56 0 top
REF**#343  -  [NPTH]  52.62 37.62 0 top
REF**#344  -  [NPTH]  62.15 4.11 0 top
REF**#345  -  [NPTH]  62.15 42.01 0 top
REF**#346  -  [NPTH]  100.25 12.85 0 top
REF**#347  -  [NPTH]  54.29 39.62 0 top
REF**#348  -  [NPTH]  43.1 61.82 0 top
REF**#349  -  [NPTH]  16.19 37.62 0 top
REF**#350  -  [NPTH]  100.25 52.47 0 top
REF**#351  -  [NPTH]  43.1 22.2 0 top
REF**#352  -  [NPTH]  43.1 63.54 0 top
REF**#353  -  [NPTH]  100.25 23.92 0 top
REF**#354  -  [NPTH]  50.12 17.81 0 top
REF**#355  -  [NPTH]  24.05 61.82 0 top
REF**#356  -  [NPTH]  24.05 66.11 0 top
REF**#357  -  [NPTH]  5 49.89 0 top
REF**#358  -  [NPTH]  62.15 41.15 0 top
REF**#359  -  [NPTH]  13.69 59.43 0 top
REF**#360  -  [NPTH]  91.56 19.81 0 top
REF**#361  -  [NPTH]  31.91 39.62 0 top
REF**#362  -  [NPTH]  100.25 5.82 0 top
REF**#363  -  [NPTH]  5 21.34 0 top
REF**#364  -  [NPTH]  89.89 59.43 0 top
REF**#365  -  [NPTH]  69.18 57.43 0 top
REF**#366  -  [NPTH]  24.05 63.54 0 top
REF**#367  -  [NPTH]  24.05 55.89 0 top
REF**#368  -  [NPTH]  81.2 7.53 0 top
REF**#369  -  [NPTH]  100.25 32.66 0 top
REF**#370  -  [NPTH]  100.25 63.54 0 top
REF**#371  -  [NPTH]  81.2 32.66 0 top
REF**#372  -  [NPTH]  100.25 69.7 0 top
